# KiCad board ulx4m_panel.kicad_pcb (continued)
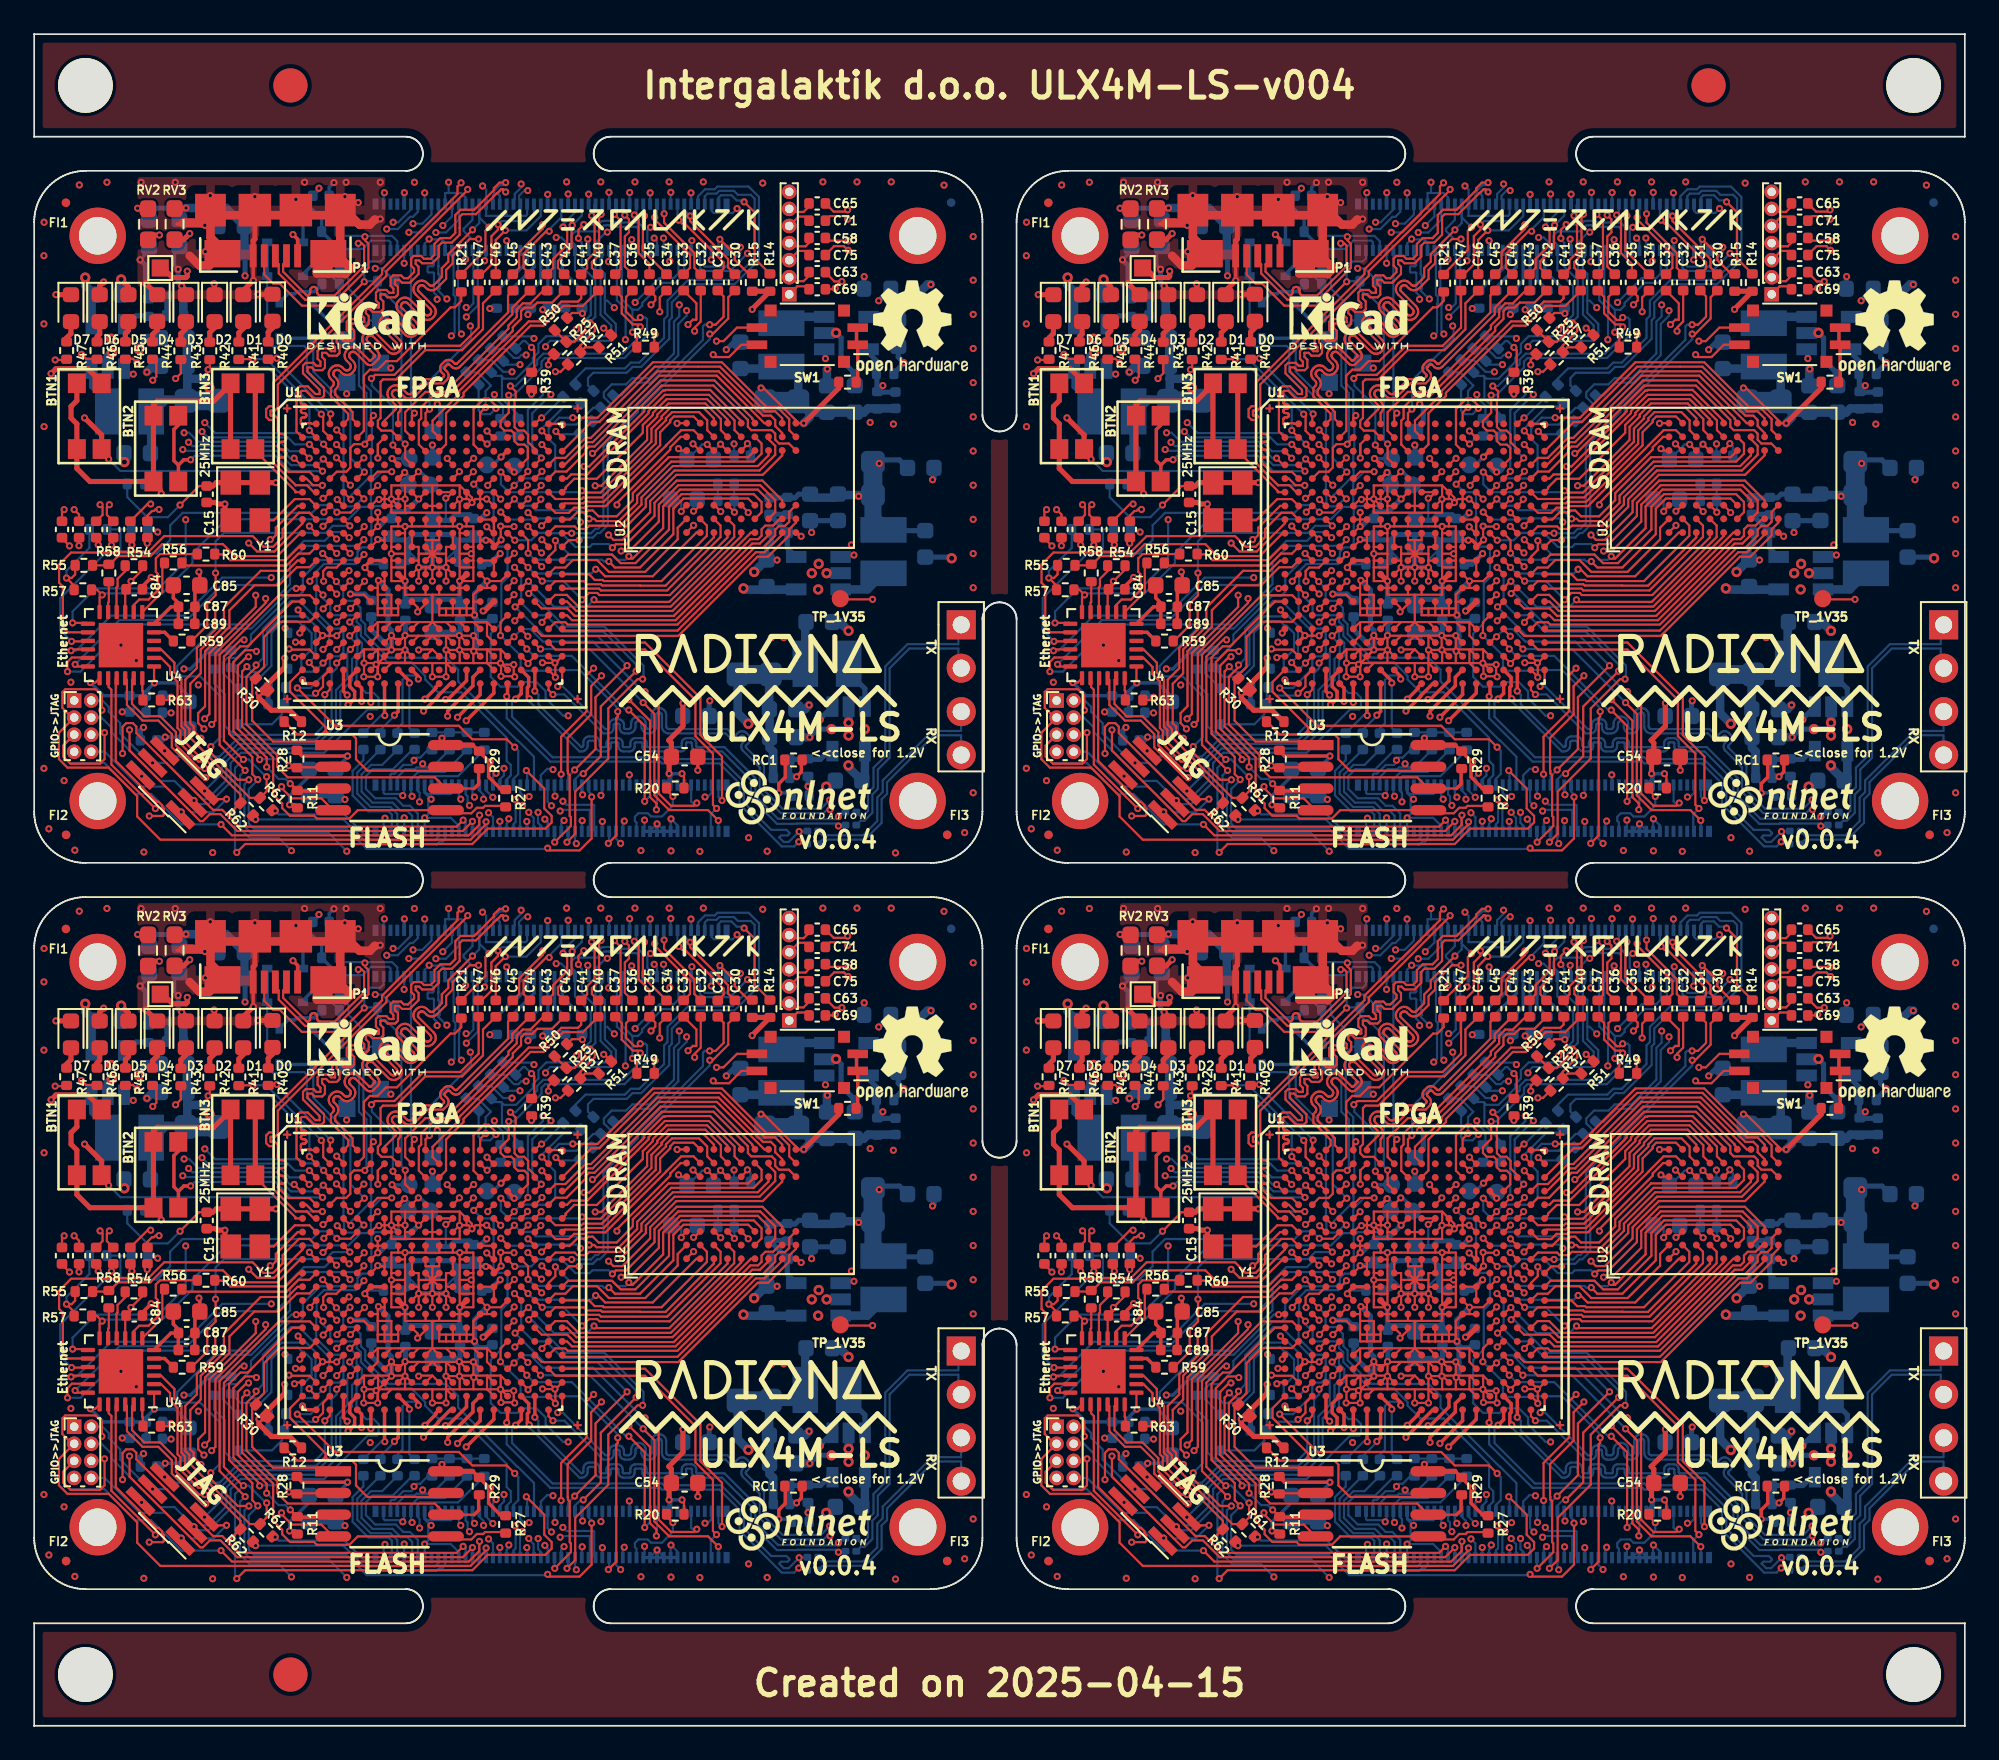
[diagram p0: board, top side]
## Placement (name value [footprint] x y rotation side) (continued)
C82#2  22nF  [C_0603_1608Metric]  95.55 29.29 180 bottom
C82#3  22nF  [C_0603_1608Metric]  95.55 71.79 180 bottom
C82#4  22nF  [C_0603_1608Metric]  38.04 29.29 180 bottom
C83  100n  [C_0402_1005Metric]  63.69 70.02 180 bottom
C83#2  100n  [C_0402_1005Metric]  63.69 27.52 180 bottom
C83#3  100n  [C_0402_1005Metric]  6.18 27.52 180 bottom
C83#4  100n  [C_0402_1005Metric]  6.18 70.02 180 bottom
C84  100n  [C_0402_1005Metric]  63.37 24.02 0 top
C84#2  100n  [C_0402_1005Metric]  5.86 66.52 0 top
C84#3  100n  [C_0402_1005Metric]  63.37 66.52 0 top
C84#4  100n  [C_0402_1005Metric]  5.86 24.02 0 top
C85  1u1R  [C_0603_1608Metric]  66.43 24.25 0 top
C85#2  1u1R  [C_0603_1608Metric]  8.92 24.25 0 top
C85#3  1u1R  [C_0603_1608Metric]  66.43 66.75 0 top
C85#4  1u1R  [C_0603_1608Metric]  8.92 66.75 0 top
C86  10n  [C_0402_1005Metric]  63.1 17.31 270 bottom
C86#2  10n  [C_0402_1005Metric]  5.59 17.31 270 bottom
C86#3  10n  [C_0402_1005Metric]  63.1 59.81 270 bottom
C86#4  10n  [C_0402_1005Metric]  5.59 59.81 270 bottom
C87  470p  [C_0402_1005Metric]  66.44 22.99 0 top
C87#2  470p  [C_0402_1005Metric]  66.44 65.49 0 top
C87#3  470p  [C_0402_1005Metric]  8.93 22.99 0 top
C87#4  470p  [C_0402_1005Metric]  8.93 65.49 0 top
C88  22n  [C_0402_1005Metric]  64.54 59.3 0 bottom
C88#2  22n  [C_0402_1005Metric]  7.03 16.8 0 bottom
C88#3  22n  [C_0402_1005Metric]  7.03 59.3 0 bottom
C88#4  22n  [C_0402_1005Metric]  64.54 16.8 0 bottom
C89  10n  [C_0402_1005Metric]  66.43 22 0 top
C89#2  10n  [C_0402_1005Metric]  8.92 64.5 0 top
C89#3  10n  [C_0402_1005Metric]  8.92 22 0 top
C89#4  10n  [C_0402_1005Metric]  66.43 64.5 0 top
C90  100n  [C_0402_1005Metric]  64.55 60.29 0 bottom
C90#2  100n  [C_0402_1005Metric]  64.55 17.79 0 bottom
C90#3  100n  [C_0402_1005Metric]  7.04 17.79 0 bottom
C90#4  100n  [C_0402_1005Metric]  7.04 60.29 0 bottom
C91  22n  [C_0201_0603Metric]  105.32 10.98 180 bottom  (not fitted)
C91#2  22n  [C_0201_0603Metric]  47.81 53.48 180 bottom  (not fitted)
C91#3  22n  [C_0201_0603Metric]  47.81 10.98 180 bottom  (not fitted)
C91#4  22n  [C_0201_0603Metric]  105.32 53.48 180 bottom  (not fitted)
C92  22n  [C_0201_0603Metric]  47.81 52.72 180 bottom  (not fitted)
C92#2  22n  [C_0201_0603Metric]  47.81 10.22 180 bottom  (not fitted)
C92#3  22n  [C_0201_0603Metric]  105.32 52.72 180 bottom  (not fitted)
C92#4  22n  [C_0201_0603Metric]  105.32 10.22 180 bottom  (not fitted)
C93  22n  [C_0201_0603Metric]  103.09 9.87 180 bottom  (not fitted)
C93#2  22n  [C_0201_0603Metric]  45.58 52.37 180 bottom  (not fitted)
C93#3  22n  [C_0201_0603Metric]  103.09 52.37 180 bottom  (not fitted)
C93#4  22n  [C_0201_0603Metric]  45.58 9.87 180 bottom  (not fitted)
C94  22n  [C_0201_0603Metric]  103.08 51.61 180 bottom  (not fitted)
C94#2  22n  [C_0201_0603Metric]  45.57 9.11 180 bottom  (not fitted)
C94#3  22n  [C_0201_0603Metric]  103.08 9.11 180 bottom  (not fitted)
C94#4  22n  [C_0201_0603Metric]  45.57 51.61 180 bottom  (not fitted)
C95  22uF  [C_0603_1608Metric]  45.42 28.81 270 bottom  (not fitted)
C95#2  22uF  [C_0603_1608Metric]  102.93 71.31 270 bottom  (not fitted)
C95#3  22uF  [C_0603_1608Metric]  102.93 28.81 270 bottom  (not fitted)
C95#4  22uF  [C_0603_1608Metric]  45.42 71.31 270 bottom  (not fitted)
C96  22uF  [C_0603_1608Metric]  47.05 28.82 270 bottom  (not fitted)
C96#2  22uF  [C_0603_1608Metric]  104.57 28.82 270 bottom  (not fitted)
C96#3  22uF  [C_0603_1608Metric]  47.05 71.32 270 bottom  (not fitted)
C96#4  22uF  [C_0603_1608Metric]  104.57 71.32 270 bottom  (not fitted)
C97  2.2uF  [C_0603_1608Metric]  52.16 69.17 270 bottom  (not fitted)
C97#2  2.2uF  [C_0603_1608Metric]  52.16 26.67 270 bottom  (not fitted)
C97#3  2.2uF  [C_0603_1608Metric]  109.67 26.67 270 bottom  (not fitted)
C97#4  2.2uF  [C_0603_1608Metric]  109.67 69.17 270 bottom  (not fitted)
C98  2.2uF  [C_0603_1608Metric]  51.9 73.62 0 bottom  (not fitted)
C98#2  2.2uF  [C_0603_1608Metric]  51.9 31.12 0 bottom  (not fitted)
C98#3  2.2uF  [C_0603_1608Metric]  109.41 73.62 0 bottom  (not fitted)
C98#4  2.2uF  [C_0603_1608Metric]  109.41 31.12 0 bottom  (not fitted)
C99  100n  [C_0402_1005Metric]  71.68 17.29 180 bottom
C99#2  100n  [C_0402_1005Metric]  14.17 17.29 180 bottom
C99#3  100n  [C_0402_1005Metric]  14.17 59.79 180 bottom
C99#4  100n  [C_0402_1005Metric]  71.68 59.79 180 bottom
D0  RED  [LED_0603_1608Metric]  13.95 40.49 270 top
D0#2  RED  [LED_0603_1608Metric]  13.95 82.99 270 top
D0#3  RED  [LED_0603_1608Metric]  71.46 40.49 270 top
D0#4  RED  [LED_0603_1608Metric]  71.46 82.99 270 top
D1  ORANGE  [LED_0603_1608Metric]  12.24 40.47 270 top
D1#2  ORANGE  [LED_0603_1608Metric]  69.75 40.47 270 top
D1#3  ORANGE  [LED_0603_1608Metric]  69.75 82.97 270 top
D1#4  ORANGE  [LED_0603_1608Metric]  12.24 82.97 270 top
D2  GREEN  [LED_0603_1608Metric]  68.07 82.97 270 top
D2#2  GREEN  [LED_0603_1608Metric]  10.56 40.47 270 top
D2#3  GREEN  [LED_0603_1608Metric]  10.56 82.97 270 top
D2#4  GREEN  [LED_0603_1608Metric]  68.07 40.47 270 top
D3  BLUE  [LED_0603_1608Metric]  8.88 40.47 270 top
D3#2  BLUE  [LED_0603_1608Metric]  8.88 82.97 270 top
D3#3  BLUE  [LED_0603_1608Metric]  66.39 40.47 270 top
D3#4  BLUE  [LED_0603_1608Metric]  66.39 82.97 270 top
D4  RED  [LED_0603_1608Metric]  7.2 40.47 270 top
D4#2  RED  [LED_0603_1608Metric]  7.2 82.97 270 top
D4#3  RED  [LED_0603_1608Metric]  64.71 40.47 270 top
D4#4  RED  [LED_0603_1608Metric]  64.71 82.97 270 top
D5  ORANGE  [LED_0603_1608Metric]  5.52 40.47 270 top
D5#2  ORANGE  [LED_0603_1608Metric]  63.03 40.47 270 top
D5#3  ORANGE  [LED_0603_1608Metric]  5.52 82.97 270 top
D5#4  ORANGE  [LED_0603_1608Metric]  63.03 82.97 270 top
D6  GREEN  [LED_0603_1608Metric]  61.35 82.97 270 top
D6#2  GREEN  [LED_0603_1608Metric]  3.84 40.47 270 top
D6#3  GREEN  [LED_0603_1608Metric]  61.35 40.47 270 top
D6#4  GREEN  [LED_0603_1608Metric]  3.84 82.97 270 top
D7  BLUE  [LED_0603_1608Metric]  2.16 82.97 270 top
D7#2  BLUE  [LED_0603_1608Metric]  59.67 82.97 270 top
D7#3  BLUE  [LED_0603_1608Metric]  2.16 40.47 270 top
D7#4  BLUE  [LED_0603_1608Metric]  59.67 40.47 270 top
D8  3.6V  [D_SOD-323_HandSoldering]  20.27 81 270 bottom
D8#2  3.6V  [D_SOD-323_HandSoldering]  77.78 38.5 270 bottom
D8#3  3.6V  [D_SOD-323_HandSoldering]  20.27 38.5 270 bottom
D8#4  3.6V  [D_SOD-323_HandSoldering]  77.78 81 270 bottom
D9  3.6V  [D_SOD-323_HandSoldering]  75.82 79.88 270 bottom
D9#2  3.6V  [D_SOD-323_HandSoldering]  75.82 37.38 270 bottom
D9#3  3.6V  [D_SOD-323_HandSoldering]  18.31 37.38 270 bottom
D9#4  3.6V  [D_SOD-323_HandSoldering]  18.31 79.88 270 bottom
D10  1N914  [D_SOD-323#2]  14.69 86.82 180 bottom
D10#2  1N914  [D_SOD-323#2]  14.69 44.32 180 bottom
D10#3  1N914  [D_SOD-323#2]  72.2 86.82 180 bottom
D10#4  1N914  [D_SOD-323#2]  72.2 44.32 180 bottom
D11  1N914  [D_SOD-323#2]  72.2 42.35 0 bottom
D11#2  1N914  [D_SOD-323#2]  14.69 84.85 0 bottom
D11#3  1N914  [D_SOD-323#2]  72.2 84.85 0 bottom
D11#4  1N914  [D_SOD-323#2]  14.69 42.35 0 bottom
D12  1N914  [D_SOD-323#2]  73.84 39.74 270 bottom
D12#2  1N914  [D_SOD-323#2]  16.33 82.24 270 bottom
D12#3  1N914  [D_SOD-323#2]  16.33 39.74 270 bottom
D12#4  1N914  [D_SOD-323#2]  73.84 82.24 270 bottom
D13  1N914  [D_SOD-323#2]  14.35 82.26 90 bottom
D13#2  1N914  [D_SOD-323#2]  14.35 39.76 90 bottom
D13#3  1N914  [D_SOD-323#2]  71.86 82.26 90 bottom
D13#4  1N914  [D_SOD-323#2]  71.86 39.76 90 bottom
D15  1N914  [D_SOD-323]  14.89 20.42 270 bottom
D15#2  1N914  [D_SOD-323]  72.4 62.92 270 bottom
D15#3  1N914  [D_SOD-323]  72.4 20.42 270 bottom
D15#4  1N914  [D_SOD-323]  14.89 62.92 270 bottom
D28  1N914  [D_SOD-323]  11.94 17.17 270 bottom
D28#2  1N914  [D_SOD-323]  69.45 59.67 270 bottom
D28#3  1N914  [D_SOD-323]  69.45 17.17 270 bottom
D28#4  1N914  [D_SOD-323]  11.94 59.67 270 bottom
FB1  30R  [L_0603_1608Metric]  66.55 16.65 90 bottom
FB1#2  30R  [L_0603_1608Metric]  9.04 59.15 90 bottom
FB1#3  30R  [L_0603_1608Metric]  66.55 59.15 90 bottom
FB1#4  30R  [L_0603_1608Metric]  9.04 16.65 90 bottom
FI1  Fi  [Fiducial_0.5mm_Mask1mm]  59.37 46.64 0 top  (not fitted)
FI1#2  Fi  [Fiducial_0.5mm_Mask1mm]  1.86 89.14 0 top  (not fitted)
FI1#3  Fi  [Fiducial_0.5mm_Mask1mm]  59.37 89.14 0 top  (not fitted)
FI1#4  Fi  [Fiducial_0.5mm_Mask1mm]  1.86 46.64 0 top  (not fitted)
FI2  Fi  [Fiducial_0.5mm_Mask1mm]  1.87 52.15 0 top  (not fitted)
FI2#2  Fi  [Fiducial_0.5mm_Mask1mm]  59.38 9.65 0 top  (not fitted)
FI2#3  Fi  [Fiducial_0.5mm_Mask1mm]  59.38 52.15 0 top  (not fitted)
FI2#4  Fi  [Fiducial_0.5mm_Mask1mm]  1.87 9.65 0 top  (not fitted)
FI3  Fi  [Fiducial_0.5mm_Mask1mm]  53.45 52.15 0 top  (not fitted)
FI3#2  Fi  [Fiducial_0.5mm_Mask1mm]  53.45 9.65 0 top  (not fitted)
FI3#3  Fi  [Fiducial_0.5mm_Mask1mm]  110.96 52.15 0 top  (not fitted)
FI3#4  Fi  [Fiducial_0.5mm_Mask1mm]  110.96 9.65 0 top  (not fitted)
FI4  Fi  [Fiducial_0.5mm_Mask1mm]  111.19 46.65 0 bottom  (not fitted)
FI4#2  Fi  [Fiducial_0.5mm_Mask1mm]  111.19 89.15 0 bottom  (not fitted)
FI4#3  Fi  [Fiducial_0.5mm_Mask1mm]  53.68 46.65 0 bottom  (not fitted)
FI4#4  Fi  [Fiducial_0.5mm_Mask1mm]  53.68 89.15 0 bottom  (not fitted)
FI5  Fi  [Fiducial_0.5mm_Mask1mm]  53.45 9.65 0 bottom  (not fitted)
FI5#2  Fi  [Fiducial_0.5mm_Mask1mm]  110.96 52.15 0 bottom  (not fitted)
FI5#3  Fi  [Fiducial_0.5mm_Mask1mm]  53.45 52.15 0 bottom  (not fitted)
FI5#4  Fi  [Fiducial_0.5mm_Mask1mm]  110.96 9.65 0 bottom  (not fitted)
FI6  Fi  [Fiducial_0.5mm_Mask1mm]  1.87 52.14 0 bottom  (not fitted)
FI6#2  Fi  [Fiducial_0.5mm_Mask1mm]  59.38 52.14 0 bottom  (not fitted)
FI6#3  Fi  [Fiducial_0.5mm_Mask1mm]  59.38 9.64 0 bottom  (not fitted)
FI6#4  Fi  [Fiducial_0.5mm_Mask1mm]  1.87 9.64 0 bottom  (not fitted)
G***  LOGO  [kicad2_8mm]  76.91 39.35 0 top
G***#2  LOGO  [kicad2_8mm]  19.4 39.35 0 top
G***#3  LOGO  [intergalaktik]  34.48 45.76 0 top
G***#4  LOGO  [nlnet]  102.24 54.35 0 top
G***#5  LOGO  [nlnet]  44.73 54.35 0 top
G***#6  LOGO  [intergalaktik]  34.48 88.26 0 top
G***#7  LOGO  [kicad2_8mm]  19.4 81.85 0 top
G***#8  LOGO  [intergalaktik]  91.99 45.76 0 top
G***#9  LOGO  [kicad2_8mm]  76.91 81.85 0 top
G***#10  LOGO  [nlnet]  44.73 11.85 0 top
G***#11  LOGO  [intergalaktik]  91.99 88.26 0 top
G***#12  LOGO  [nlnet]  102.24 11.85 0 top
H1  HOLE  [MountingHole_3.2mm_M3_ISO14580_Pad]  109.23 54.13 180 top  (not fitted)
H1#2  HOLE  [MountingHole_3.2mm_M3_ISO14580_Pad]  51.72 54.13 180 top  (not fitted)
H1#3  HOLE  [MountingHole_3.2mm_M3_ISO14580_Pad]  51.72 11.63 180 top  (not fitted)
H1#4  HOLE  [MountingHole_3.2mm_M3_ISO14580_Pad]  109.23 11.63 180 top  (not fitted)
H2  HOLE  [MountingHole_3.2mm_M3_ISO14580_Pad]  3.72 54.12 180 top  (not fitted)
H2#2  HOLE  [MountingHole_3.2mm_M3_ISO14580_Pad]  61.23 11.62 180 top  (not fitted)
H2#3  HOLE  [MountingHole_3.2mm_M3_ISO14580_Pad]  61.23 54.12 180 top  (not fitted)
H2#4  HOLE  [MountingHole_3.2mm_M3_ISO14580_Pad]  3.72 11.62 180 top  (not fitted)
H3  HOLE  [MountingHole_3.2mm_M3_ISO14580_Pad]  109.23 87.2 180 top  (not fitted)
H3#2  HOLE  [MountingHole_3.2mm_M3_ISO14580_Pad]  51.72 44.7 180 top  (not fitted)
H3#3  HOLE  [MountingHole_3.2mm_M3_ISO14580_Pad]  51.72 87.2 180 top  (not fitted)
H3#4  HOLE  [MountingHole_3.2mm_M3_ISO14580_Pad]  109.23 44.7 180 top  (not fitted)
H4  HOLE  [MountingHole_3.2mm_M3_ISO14580_Pad]  61.23 87.2 180 top  (not fitted)
H4#2  HOLE  [MountingHole_3.2mm_M3_ISO14580_Pad]  3.72 44.7 180 top  (not fitted)
H4#3  HOLE  [MountingHole_3.2mm_M3_ISO14580_Pad]  3.72 87.2 180 top  (not fitted)
H4#4  HOLE  [MountingHole_3.2mm_M3_ISO14580_Pad]  61.23 44.7 180 top  (not fitted)
J1  DF40C-100DP-0.4V(51)  [HRS_DF40C-100DP-0.4V(51)]  30.26 53.7 0 bottom
J1#2  DF40C-100DP-0.4V(51)  [HRS_DF40C-100DP-0.4V(51)]  30.26 11.2 0 bottom
J1#3  DF40C-100DP-0.4V(51)  [HRS_DF40C-100DP-0.4V(51)]  87.77 11.2 0 bottom
J1#4  DF40C-100DP-0.4V(51)  [HRS_DF40C-100DP-0.4V(51)]  87.77 53.7 0 bottom
J2  DF40C-100DP-0.4V(51)  [HRS_DF40C-100DP-0.4V(51)]  87.77 45.2 0 bottom
J2#2  DF40C-100DP-0.4V(51)  [HRS_DF40C-100DP-0.4V(51)]  30.26 87.7 0 bottom
J2#3  DF40C-100DP-0.4V(51)  [HRS_DF40C-100DP-0.4V(51)]  87.77 87.7 0 bottom
J2#4  DF40C-100DP-0.4V(51)  [HRS_DF40C-100DP-0.4V(51)]  30.26 45.2 0 bottom
J3  JTAG  [PinHeader_2x03_P1.00mm_Vertical_SMD]  8.1 12.69 135 top  (not fitted)
J3#2  JTAG  [PinHeader_2x03_P1.00mm_Vertical_SMD]  65.61 12.69 135 top  (not fitted)
J3#3  JTAG  [PinHeader_2x03_P1.00mm_Vertical_SMD]  8.1 55.19 135 top  (not fitted)
J3#4  JTAG  [PinHeader_2x03_P1.00mm_Vertical_SMD]  65.61 55.19 135 top  (not fitted)
J4  Antenna  [PinHeader_1x04_P2.54mm_Vertical]  111.78 21.94 0 top  (not fitted)
J4#2  Antenna  [PinHeader_1x04_P2.54mm_Vertical]  111.78 64.44 0 top  (not fitted)
J4#3  Antenna  [PinHeader_1x04_P2.54mm_Vertical]  54.27 21.94 0 top  (not fitted)
J4#4  Antenna  [PinHeader_1x04_P2.54mm_Vertical]  54.27 64.44 0 top  (not fitted)
J5  SerDes  [PinHeader_1x07_P1.00mm_Vertical]  101.71 83.78 180 top  (not fitted)
J5#2  SerDes  [PinHeader_1x07_P1.00mm_Vertical]  44.2 83.78 180 top  (not fitted)
J5#3  SerDes  [PinHeader_1x07_P1.00mm_Vertical]  101.71 41.28 180 top  (not fitted)
J5#4  SerDes  [PinHeader_1x07_P1.00mm_Vertical]  44.2 41.28 180 top  (not fitted)
J6  GPIO>>JTAG  [PinHeader_2x04_P1.00mm_Vertical]  2.34 17.51 0 top  (not fitted)
J6#2  GPIO>>JTAG  [PinHeader_2x04_P1.00mm_Vertical]  2.34 60.01 0 top  (not fitted)
J6#3  GPIO>>JTAG  [PinHeader_2x04_P1.00mm_Vertical]  59.85 60.01 0 top  (not fitted)
J6#4  GPIO>>JTAG  [PinHeader_2x04_P1.00mm_Vertical]  59.85 17.51 0 top  (not fitted)
KiKit_FID_B_1  -  [Fiducial]  15 96 0 bottom
KiKit_FID_B_2  -  [Fiducial]  98.02 96 0 bottom
KiKit_FID_B_3  -  [Fiducial]  15 3 0 bottom
KiKit_FID_T_1  -  [Fiducial]  15 96 0 top
KiKit_FID_T_2  -  [Fiducial]  98.02 96 0 top
KiKit_FID_T_3  -  [Fiducial]  15 3 0 top
KiKit_TO_1  -  [NPTH]  3 96 0 top
KiKit_TO_2  -  [NPTH]  110.02 96 0 top
KiKit_TO_3  -  [NPTH]  3 3 0 top
KiKit_TO_4  -  [NPTH]  110.02 3 0 top
L1  2.2uH  [L_1008_1210]  46.41 19.66 180 bottom
L1#2  2.2uH  [L_1008_1210]  103.92 19.66 180 bottom
L1#3  2.2uH  [L_1008_1210]  46.41 62.16 180 bottom
L1#4  2.2uH  [L_1008_1210]  103.92 62.16 180 bottom
L2  2.2uH  [L_1008_1210]  63.09 34.42 0 bottom
L2#2  2.2uH  [L_1008_1210]  5.58 76.92 0 bottom
L2#3  2.2uH  [L_1008_1210]  5.58 34.42 0 bottom
L2#4  2.2uH  [L_1008_1210]  63.09 76.92 0 bottom
L3  2.2uH  [L_1008_1210]  43.74 38.32 270 bottom
L3#2  2.2uH  [L_1008_1210]  101.25 38.32 270 bottom
L3#3  2.2uH  [L_1008_1210]  101.25 80.82 270 bottom
L3#4  2.2uH  [L_1008_1210]  43.74 80.82 270 bottom
L4  2.2uH  [L_1008_1210]  49.72 68.72 90 bottom  (not fitted)
L4#2  2.2uH  [L_1008_1210]  107.23 68.72 90 bottom  (not fitted)
L4#3  2.2uH  [L_1008_1210]  49.72 26.22 90 bottom  (not fitted)
L4#4  2.2uH  [L_1008_1210]  107.23 26.22 90 bottom  (not fitted)
P1  USB_OTG  [USB-MICRO-B-FCI-10118192-0001LF]  14.12 46.21 180 top
P1#2  USB_OTG  [USB-MICRO-B-FCI-10118192-0001LF]  71.63 46.21 180 top
P1#3  USB_OTG  [USB-MICRO-B-FCI-10118192-0001LF]  14.12 88.71 180 top
P1#4  USB_OTG  [USB-MICRO-B-FCI-10118192-0001LF]  71.63 88.71 180 top
R1  27R  [R_0402_1005Metric]  17.35 43.94 180 bottom
R1#2  27R  [R_0402_1005Metric]  17.35 86.44 180 bottom
R1#3  27R  [R_0402_1005Metric]  74.86 86.44 180 bottom
R1#4  27R  [R_0402_1005Metric]  74.86 43.94 180 bottom
R2  27R  [R_0402_1005Metric]  74.85 44.95 180 bottom
R2#2  27R  [R_0402_1005Metric]  17.34 44.95 180 bottom
R2#3  27R  [R_0402_1005Metric]  17.34 87.45 180 bottom
R2#4  27R  [R_0402_1005Metric]  74.85 87.45 180 bottom
R4  1k  [R_0402_1005Metric]  15.34 45.84 180 bottom
R4#2  1k  [R_0402_1005Metric]  72.85 45.84 180 bottom
R4#3  1k  [R_0402_1005Metric]  72.85 88.34 180 bottom
R4#4  1k  [R_0402_1005Metric]  15.34 88.34 180 bottom
R5  15k  [R_0402_1005Metric]  74.87 42.9 0 bottom
R5#2  15k  [R_0402_1005Metric]  17.36 85.4 0 bottom
R5#3  15k  [R_0402_1005Metric]  74.87 85.4 0 bottom
R5#4  15k  [R_0402_1005Metric]  17.36 42.9 0 bottom
R6  1k  [R_0402_1005Metric]  17.85 40.39 90 bottom
R6#2  1k  [R_0402_1005Metric]  75.36 82.89 90 bottom
R6#3  1k  [R_0402_1005Metric]  17.85 82.89 90 bottom
R6#4  1k  [R_0402_1005Metric]  75.36 40.39 90 bottom
R7  15k  [R_0402_1005Metric]  74.87 84.38 0 bottom
R7#2  15k  [R_0402_1005Metric]  17.36 41.88 0 bottom
R7#3  15k  [R_0402_1005Metric]  74.87 41.88 0 bottom
R7#4  15k  [R_0402_1005Metric]  17.36 84.38 0 bottom
R8  15k  [R_0402_1005Metric]  31.07 40.99 90 bottom
R8#2  15k  [R_0402_1005Metric]  88.58 83.49 90 bottom
R8#3  15k  [R_0402_1005Metric]  88.58 40.99 90 bottom
R8#4  15k  [R_0402_1005Metric]  31.07 83.49 90 bottom
R9  15k  [R_0402_1005Metric]  32.07 83.49 90 bottom
R9#2  15k  [R_0402_1005Metric]  32.07 40.99 90 bottom
R9#3  15k  [R_0402_1005Metric]  89.58 40.99 90 bottom
R9#4  15k  [R_0402_1005Metric]  89.58 83.49 90 bottom
R10  4k7  [R_0402_1005Metric]  29.07 40.98 90 bottom
R10#2  4k7  [R_0402_1005Metric]  29.07 83.48 90 bottom
R10#3  4k7  [R_0402_1005Metric]  86.58 83.48 90 bottom
R10#4  4k7  [R_0402_1005Metric]  86.58 40.98 90 bottom
R11  15k  [R_0402_1005Metric]  15.41 11.73 90 top
R11#2  15k  [R_0402_1005Metric]  72.92 54.23 90 top
R11#3  15k  [R_0402_1005Metric]  15.41 54.23 90 top
R11#4  15k  [R_0402_1005Metric]  72.92 11.73 90 top
R12  15k  [R_0402_1005Metric]  15.14 58.77 180 top
R12#2  15k  [R_0402_1005Metric]  72.65 16.27 180 top
R12#3  15k  [R_0402_1005Metric]  15.14 16.27 180 top
R12#4  15k  [R_0402_1005Metric]  72.65 58.77 180 top
R13  4k7  [R_0402_1005Metric]  28.07 83.47 90 bottom
R13#2  4k7  [R_0402_1005Metric]  28.07 40.97 90 bottom
R13#3  4k7  [R_0402_1005Metric]  85.58 40.97 90 bottom
R13#4  4k7  [R_0402_1005Metric]  85.58 83.47 90 bottom
R14  4k7  [R_0402_1005Metric]  100.58 41.97 90 top
R14#2  4k7  [R_0402_1005Metric]  43.07 41.97 90 top
R14#3  4k7  [R_0402_1005Metric]  43.07 84.47 90 top
R14#4  4k7  [R_0402_1005Metric]  100.58 84.47 90 top
R15  4k7  [R_0402_1005Metric]  99.55 84.47 90 top
R15#2  4k7  [R_0402_1005Metric]  42.04 41.97 90 top
R15#3  4k7  [R_0402_1005Metric]  99.55 41.97 90 top
R15#4  4k7  [R_0402_1005Metric]  42.04 84.47 90 top
R16  15k  [R_0402_1005Metric]  87.58 40.98 90 bottom
R16#2  15k  [R_0402_1005Metric]  87.58 83.48 90 bottom
R16#3  15k  [R_0402_1005Metric]  30.07 83.48 90 bottom
R16#4  15k  [R_0402_1005Metric]  30.07 40.98 90 bottom
R17  15k  [R_0402_1005Metric]  84.58 40.97 90 bottom
R17#2  15k  [R_0402_1005Metric]  27.07 40.97 90 bottom
R17#3  15k  [R_0402_1005Metric]  84.58 83.47 90 bottom
R17#4  15k  [R_0402_1005Metric]  27.07 83.47 90 bottom
R18  300  [R_0402_1005Metric]  5.96 30.18 180 bottom
R18#2  300  [R_0402_1005Metric]  63.47 30.18 180 bottom
R18#3  300  [R_0402_1005Metric]  5.96 72.68 180 bottom
R18#4  300  [R_0402_1005Metric]  63.47 72.68 180 bottom
R19  4k7  [R_0402_1005Metric]  20.61 84.55 0 bottom
R19#2  4k7  [R_0402_1005Metric]  78.12 42.05 0 bottom
R19#3  4k7  [R_0402_1005Metric]  20.61 42.05 0 bottom
R19#4  4k7  [R_0402_1005Metric]  78.12 84.55 0 bottom
R20  4k7  [R_0402_1005Metric]  37.53 54.89 0 top
R20#2  4k7  [R_0402_1005Metric]  37.53 12.39 0 top
R20#3  4k7  [R_0402_1005Metric]  95.04 12.39 0 top
R20#4  4k7  [R_0402_1005Metric]  95.04 54.89 0 top
R21  300  [R_0402_1005Metric]  82.51 84.43 270 top
R21#2  300  [R_0402_1005Metric]  25 41.93 270 top
R21#3  300  [R_0402_1005Metric]  82.51 41.93 270 top
R21#4  300  [R_0402_1005Metric]  25 84.43 270 top
R22  300  [R_0402_1005Metric]  91.05 35 225 bottom
R22#2  300  [R_0402_1005Metric]  33.54 35 225 bottom
R22#3  300  [R_0402_1005Metric]  91.05 77.5 225 bottom
R22#4  300  [R_0402_1005Metric]  33.54 77.5 225 bottom
R23  300  [R_0402_1005Metric]  31.33 78.14 225 bottom
R23#2  300  [R_0402_1005Metric]  88.84 78.14 225 bottom
R23#3  300  [R_0402_1005Metric]  31.33 35.64 225 bottom
R23#4  300  [R_0402_1005Metric]  88.84 35.64 225 bottom
R24  300  [R_0402_1005Metric]  25.67 37.07 225 bottom
R24#2  300  [R_0402_1005Metric]  25.67 79.57 225 bottom
R24#3  300  [R_0402_1005Metric]  83.18 37.07 225 bottom
R24#4  300  [R_0402_1005Metric]  83.18 79.57 225 bottom
R25  300  [R_0402_1005Metric]  30.79 38.14 225 top
R25#2  300  [R_0402_1005Metric]  88.3 80.64 225 top
R25#3  300  [R_0402_1005Metric]  30.79 80.64 225 top
R25#4  300  [R_0402_1005Metric]  88.3 38.14 225 top
R26  300  [R_0402_1005Metric]  84.61 38.46 225 bottom
R26#2  300  [R_0402_1005Metric]  27.1 38.46 225 bottom
R26#3  300  [R_0402_1005Metric]  84.61 80.96 225 bottom
R26#4  300  [R_0402_1005Metric]  27.1 80.96 225 bottom
R27  15k  [R_0402_1005Metric]  27.6 11.79 270 top
R27#2  15k  [R_0402_1005Metric]  85.11 54.29 270 top
R27#3  15k  [R_0402_1005Metric]  85.11 11.79 270 top
R27#4  15k  [R_0402_1005Metric]  27.6 54.29 270 top
R28  15k  [R_0402_1005Metric]  15.38 56.58 270 top
R28#2  15k  [R_0402_1005Metric]  72.89 56.58 270 top
R28#3  15k  [R_0402_1005Metric]  72.89 14.08 270 top
R28#4  15k  [R_0402_1005Metric]  15.38 14.08 270 top
R29  1k  [R_0402_1005Metric]  83.57 56.53 270 top
R29#2  1k  [R_0402_1005Metric]  26.06 14.03 270 top
R29#3  1k  [R_0402_1005Metric]  83.57 14.03 270 top
R29#4  1k  [R_0402_1005Metric]  26.06 56.53 270 top
R30  4k7  [R_0402_1005Metric]  70.85 18.44 135 top
R30#2  4k7  [R_0402_1005Metric]  70.85 60.94 135 top
R30#3  4k7  [R_0402_1005Metric]  13.34 18.44 135 top
R30#4  4k7  [R_0402_1005Metric]  13.34 60.94 135 top
R31  15k  [R_0402_1005Metric]  71.72 18.28 0 bottom
R31#2  15k  [R_0402_1005Metric]  71.72 60.78 0 bottom
R31#3  15k  [R_0402_1005Metric]  14.21 60.78 0 bottom
R31#4  15k  [R_0402_1005Metric]  14.21 18.28 0 bottom
R32  15k  [R_0402_1005Metric]  10.53 19.86 270 bottom
R32#2  15k  [R_0402_1005Metric]  68.04 19.86 270 bottom
R32#3  15k  [R_0402_1005Metric]  68.04 62.36 270 bottom
R32#4  15k  [R_0402_1005Metric]  10.53 62.36 270 bottom
R33  15k  [R_0402_1005Metric]  11.53 19.94 270 bottom
R33#2  15k  [R_0402_1005Metric]  69.04 19.94 270 bottom
R33#3  15k  [R_0402_1005Metric]  11.53 62.44 270 bottom
R33#4  15k  [R_0402_1005Metric]  69.04 62.44 270 bottom
R34  300  [R_0402_1005Metric]  89.81 75.99 45 bottom
R34#2  300  [R_0402_1005Metric]  32.3 75.99 45 bottom
R34#3  300  [R_0402_1005Metric]  32.3 33.49 45 bottom
R34#4  300  [R_0402_1005Metric]  89.81 33.49 45 bottom
R35  300  [R_0402_1005Metric]  89.89 77.77 45 bottom
R35#2  300  [R_0402_1005Metric]  32.38 35.27 45 bottom
R35#3  300  [R_0402_1005Metric]  32.38 77.77 45 bottom
R35#4  300  [R_0402_1005Metric]  89.89 35.27 45 bottom
R36  300  [R_0402_1005Metric]  26.38 36.37 45 bottom
R36#2  300  [R_0402_1005Metric]  26.38 78.87 45 bottom
R36#3  300  [R_0402_1005Metric]  83.89 78.87 45 bottom
R36#4  300  [R_0402_1005Metric]  83.89 36.37 45 bottom
R37  300  [R_0402_1005Metric]  31.61 37.54 45 top
R37#2  300  [R_0402_1005Metric]  89.12 37.54 45 top
R37#3  300  [R_0402_1005Metric]  31.61 80.04 45 top
R37#4  300  [R_0402_1005Metric]  89.12 80.04 45 top
R38  300  [R_0402_1005Metric]  85.33 80.25 45 bottom
R38#2  300  [R_0402_1005Metric]  27.82 80.25 45 bottom
R38#3  300  [R_0402_1005Metric]  85.33 37.75 45 bottom
R38#4  300  [R_0402_1005Metric]  27.82 37.75 45 bottom
R39  70  [R_0402_1005Metric]  29.12 78.71 270 top
R39#2  70  [R_0402_1005Metric]  29.12 36.21 270 top
R39#3  70  [R_0402_1005Metric]  86.63 36.21 270 top
R39#4  70  [R_0402_1005Metric]  86.63 78.71 270 top
R40  300  [R_0402_1005Metric]  71.21 37.99 90 top
R40#2  300  [R_0402_1005Metric]  13.7 37.99 90 top
R40#3  300  [R_0402_1005Metric]  13.7 80.49 90 top
R40#4  300  [R_0402_1005Metric]  71.21 80.49 90 top
R41  300  [R_0402_1005Metric]  11.98 80.48 90 top
R41#2  300  [R_0402_1005Metric]  69.49 80.48 90 top
R41#3  300  [R_0402_1005Metric]  69.49 37.98 90 top
R41#4  300  [R_0402_1005Metric]  11.98 37.98 90 top
R42  300  [R_0402_1005Metric]  10.28 80.47 90 top
R42#2  300  [R_0402_1005Metric]  67.79 37.97 90 top
R42#3  300  [R_0402_1005Metric]  10.28 37.97 90 top
R42#4  300  [R_0402_1005Metric]  67.79 80.47 90 top
R43  300  [R_0402_1005Metric]  66.1 37.97 90 top
R43#2  300  [R_0402_1005Metric]  66.1 80.47 90 top
R43#3  300  [R_0402_1005Metric]  8.59 37.97 90 top
R43#4  300  [R_0402_1005Metric]  8.59 80.47 90 top
R44  300  [R_0402_1005Metric]  64.44 37.99 90 top
R44#2  300  [R_0402_1005Metric]  6.93 80.49 90 top
R44#3  300  [R_0402_1005Metric]  6.93 37.99 90 top
R44#4  300  [R_0402_1005Metric]  64.44 80.49 90 top
R45  300  [R_0402_1005Metric]  62.85 37.99 90 top
R45#2  300  [R_0402_1005Metric]  5.34 37.99 90 top
R45#3  300  [R_0402_1005Metric]  5.34 80.49 90 top
R45#4  300  [R_0402_1005Metric]  62.85 80.49 90 top
R46  300  [R_0402_1005Metric]  61.19 80.49 90 top
R46#2  300  [R_0402_1005Metric]  61.19 37.99 90 top
R46#3  300  [R_0402_1005Metric]  3.68 80.49 90 top
R46#4  300  [R_0402_1005Metric]  3.68 37.99 90 top
R47  300  [R_0402_1005Metric]  1.9 80.49 90 top
R47#2  300  [R_0402_1005Metric]  1.9 37.99 90 top
R47#3  300  [R_0402_1005Metric]  59.41 37.99 90 top
R47#4  300  [R_0402_1005Metric]  59.41 80.49 90 top
R48  70  [R_0402_1005Metric]  85.83 33.5 270 bottom
R48#2  70  [R_0402_1005Metric]  28.32 33.5 270 bottom
R48#3  70  [R_0402_1005Metric]  85.83 76 270 bottom
R48#4  70  [R_0402_1005Metric]  28.32 76 270 bottom
R49  70  [R_0402_1005Metric]  93.3 80.69 0 top
R49#2  70  [R_0402_1005Metric]  35.79 80.69 0 top
R49#3  70  [R_0402_1005Metric]  35.79 38.19 0 top
R49#4  70  [R_0402_1005Metric]  93.3 38.19 0 top
R50  70  [R_0402_1005Metric]  88.34 82.04 45 top
R50#2  70  [R_0402_1005Metric]  30.83 39.54 45 top
R50#3  70  [R_0402_1005Metric]  30.83 82.04 45 top
R50#4  70  [R_0402_1005Metric]  88.34 39.54 45 top
R51  70  [R_0402_1005Metric]  90.92 81.04 45 top
R51#2  70  [R_0402_1005Metric]  33.41 81.04 45 top
R51#3  70  [R_0402_1005Metric]  33.41 38.54 45 top
R51#4  70  [R_0402_1005Metric]  90.92 38.54 45 top
R52  70  [R_0402_1005Metric]  27.31 76 270 bottom
R52#2  70  [R_0402_1005Metric]  84.82 33.5 270 bottom
R52#3  70  [R_0402_1005Metric]  27.31 33.5 270 bottom
R52#4  70  [R_0402_1005Metric]  84.82 76 270 bottom
R53  10K  [R_0402_1005Metric]  61.25 70.02 0 bottom
R53#2  10K  [R_0402_1005Metric]  61.25 27.52 0 bottom
R53#3  10K  [R_0402_1005Metric]  3.74 27.52 0 bottom
R53#4  10K  [R_0402_1005Metric]  3.74 70.02 0 bottom
R54  10R  [R_0402_1005Metric]  5.84 25.4 0 top
R54#2  10R  [R_0402_1005Metric]  63.35 67.9 0 top
R54#3  10R  [R_0402_1005Metric]  63.35 25.4 0 top
R54#4  10R  [R_0402_1005Metric]  5.84 67.9 0 top
R55  1K5  [R_0402_1005Metric]  60.42 67.92 0 top
R55#2  1K5  [R_0402_1005Metric]  2.91 25.42 0 top
R55#3  1K5  [R_0402_1005Metric]  2.91 67.92 0 top
R55#4  1K5  [R_0402_1005Metric]  60.42 25.42 0 top
R56  10R  [R_0402_1005Metric]  8.14 68.06 0 top
R56#2  10R  [R_0402_1005Metric]  8.14 25.56 0 top
R56#3  10R  [R_0402_1005Metric]  65.65 68.06 0 top
R56#4  10R  [R_0402_1005Metric]  65.65 25.56 0 top
R57  1K5  [R_0402_1005Metric]  2.85 66.49 0 top
R57#2  1K5  [R_0402_1005Metric]  60.36 66.49 0 top
R57#3  1K5  [R_0402_1005Metric]  60.36 23.99 0 top
R57#4  1K5  [R_0402_1005Metric]  2.85 23.99 0 top
R58  10R  [R_0402_1005Metric]  4.37 67.47 270 top
R58#2  10R  [R_0402_1005Metric]  4.37 24.97 270 top
R58#3  10R  [R_0402_1005Metric]  61.88 24.97 270 top
R58#4  10R  [R_0402_1005Metric]  61.88 67.47 270 top
R59  33R  [R_0402_1005Metric]  66.17 20.99 0 top
R59#2  33R  [R_0402_1005Metric]  8.66 63.49 0 top
R59#3  33R  [R_0402_1005Metric]  66.17 63.49 0 top
R59#4  33R  [R_0402_1005Metric]  8.66 20.99 0 top
R60  10R  [R_0402_1005Metric]  10.06 68.58 0 top
R60#2  10R  [R_0402_1005Metric]  67.57 26.08 0 top
R60#3  10R  [R_0402_1005Metric]  67.57 68.58 0 top
R60#4  10R  [R_0402_1005Metric]  10.06 26.08 0 top
R61  300  [R_0402_1005Metric]  13.58 53.95 135 top
R61#2  300  [R_0402_1005Metric]  71.09 11.45 135 top
R61#3  300  [R_0402_1005Metric]  13.58 11.45 135 top
R61#4  300  [R_0402_1005Metric]  71.09 53.95 135 top
R62  300  [R_0402_1005Metric]  69.95 53.65 135 top
R62#2  300  [R_0402_1005Metric]  69.95 11.15 135 top
R62#3  300  [R_0402_1005Metric]  12.44 11.15 135 top
R62#4  300  [R_0402_1005Metric]  12.44 53.65 135 top
R63  12K1  [R_0402_1005Metric]  6.88 17.54 0 top
R63#2  12K1  [R_0402_1005Metric]  64.39 17.54 0 top
R63#3  12K1  [R_0402_1005Metric]  64.39 60.04 0 top
R63#4  12K1  [R_0402_1005Metric]  6.88 60.04 0 top
R64  300  [R_0402_1005Metric]  26.35 15.13 90 bottom
R64#2  300  [R_0402_1005Metric]  26.35 57.63 90 bottom
R64#3  300  [R_0402_1005Metric]  83.86 15.13 90 bottom
R64#4  300  [R_0402_1005Metric]  83.86 57.63 90 bottom
R65  300  [R_0402_1005Metric]  82.85 57.63 90 bottom
R65#2  300  [R_0402_1005Metric]  25.34 57.63 90 bottom
R65#3  300  [R_0402_1005Metric]  25.34 15.13 90 bottom
R65#4  300  [R_0402_1005Metric]  82.85 15.13 90 bottom
R66  300  [R_0402_1005Metric]  80.8 15.13 90 bottom
R66#2  300  [R_0402_1005Metric]  23.29 57.63 90 bottom
R66#3  300  [R_0402_1005Metric]  23.29 15.13 90 bottom
R66#4  300  [R_0402_1005Metric]  80.8 57.63 90 bottom
R67  300  [R_0402_1005Metric]  81.82 15.13 90 bottom
R67#2  300  [R_0402_1005Metric]  24.31 57.63 90 bottom
R67#3  300  [R_0402_1005Metric]  24.31 15.13 90 bottom
R67#4  300  [R_0402_1005Metric]  81.82 57.63 90 bottom
R70  300  [R_0402_1005Metric]  47.61 36.14 0 top
R70#2  300  [R_0402_1005Metric]  47.61 78.64 0 top
R70#3  300  [R_0402_1005Metric]  105.12 78.64 0 top
R70#4  300  [R_0402_1005Metric]  105.12 36.14 0 top
RA1  15k  [R_0402_1005Metric]  101.25 14.03 0 bottom
RA1#2  15k  [R_0402_1005Metric]  101.25 56.53 0 bottom
RA1#3  15k  [R_0402_1005Metric]  43.74 14.03 0 bottom
RA1#4  15k  [R_0402_1005Metric]  43.74 56.53 0 bottom
RA2  15k  [R_0402_1005Metric]  65.76 40.05 180 bottom
RA2#2  15k  [R_0402_1005Metric]  8.25 82.55 180 bottom
RA2#3  15k  [R_0402_1005Metric]  65.76 82.55 180 bottom
RA2#4  15k  [R_0402_1005Metric]  8.25 40.05 180 bottom
RA3  15k  [R_0402_1005Metric]  106.88 77.57 90 bottom
RA3#2  15k  [R_0402_1005Metric]  49.37 35.07 90 bottom
RA3#3  15k  [R_0402_1005Metric]  106.88 35.07 90 bottom
RA3#4  15k  [R_0402_1005Metric]  49.37 77.57 90 bottom
RA4  15k  [R_0402_1005Metric]  101.6 28.89 270 bottom  (not fitted)
RA4#2  15k  [R_0402_1005Metric]  101.6 71.39 270 bottom  (not fitted)
RA4#3  15k  [R_0402_1005Metric]  44.09 28.89 270 bottom  (not fitted)
RA4#4  15k  [R_0402_1005Metric]  44.09 71.39 270 bottom  (not fitted)
radiona  -  [radiona]  99.88 62.76 0 top
radiona#2  -  [radiona]  99.88 20.26 0 top
radiona#3  -  [radiona]  42.37 62.76 0 top
radiona#4  -  [radiona]  42.37 20.26 0 top
RB1  18k  [R_0402_1005Metric]  102.81 13.58 90 bottom
RB1#2  18k  [R_0402_1005Metric]  45.3 56.08 90 bottom
RB1#3  18k  [R_0402_1005Metric]  102.81 56.08 90 bottom
RB1#4  18k  [R_0402_1005Metric]  45.3 13.58 90 bottom
RB2  4k7  [R_0402_1005Metric]  6.69 83 270 bottom
RB2#2  4k7  [R_0402_1005Metric]  6.69 40.5 270 bottom
RB2#3  4k7  [R_0402_1005Metric]  64.2 83 270 bottom
RB2#4  4k7  [R_0402_1005Metric]  64.2 40.5 270 bottom
RB3  3k3  [R_0402_1005Metric]  107.33 79.13 180 bottom
RB3#2  3k3  [R_0402_1005Metric]  49.82 36.63 180 bottom
RB3#3  3k3  [R_0402_1005Metric]  49.82 79.13 180 bottom
RB3#4  3k3  [R_0402_1005Metric]  107.33 36.63 180 bottom
RB4  12k  [R_0402_1005Metric]  101.15 27.33 0 bottom  (not fitted)
RB4#2  12k  [R_0402_1005Metric]  43.64 69.83 0 bottom  (not fitted)
RB4#3  12k  [R_0402_1005Metric]  43.64 27.33 0 bottom  (not fitted)
RB4#4  12k  [R_0402_1005Metric]  101.15 69.83 0 bottom  (not fitted)
RC1  *DNP  [R_0402_1005Metric]  44.45 56.53 0 top  (not fitted)
RC1#2  *DNP  [R_0402_1005Metric]  101.96 56.53 0 top  (not fitted)
RC1#3  *DNP  [R_0402_1005Metric]  44.45 14.03 0 top  (not fitted)
RC1#4  *DNP  [R_0402_1005Metric]  101.96 14.03 0 top  (not fitted)
RC2  91k  [R_0402_1005Metric]  102.37 54.45 180 bottom
RC2#2  91k  [R_0402_1005Metric]  44.86 54.45 180 bottom
RC2#3  91k  [R_0402_1005Metric]  44.86 11.95 180 bottom
RC2#4  91k  [R_0402_1005Metric]  102.37 11.95 180 bottom
REF**  -  [OSHW-Logo2_7.3x6mm_SilkScreen]  108.91 81.84 0 top
REF**#2  -  [OSHW-Logo2_7.3x6mm_SilkScreen]  51.4 39.34 0 top
REF**#3  -  [OSHW-Logo2_7.3x6mm_SilkScreen]  51.4 81.84 0 top
REF**#4  -  [OSHW-Logo2_7.3x6mm_SilkScreen]  108.91 39.34 0 top
RP1  0  [R_0805_2012Metric_Pad1.29x1.40mm_HandSolder_Jumper_NC]  42.15 19.03 180 bottom  (not fitted)
RP1#2  0  [R_0805_2012Metric_Pad1.29x1.40mm_HandSolder_Jumper_NC]  99.66 19.03 180 bottom  (not fitted)
RP1#3  0  [R_0805_2012Metric_Pad1.29x1.40mm_HandSolder_Jumper_NC]  42.15 61.53 180 bottom  (not fitted)
RP1#4  0  [R_0805_2012Metric_Pad1.29x1.40mm_HandSolder_Jumper_NC]  99.66 61.53 180 bottom  (not fitted)
RP2  0  [R_0805_2012Metric_Pad1.29x1.40mm_HandSolder_Jumper_NC]  9.84 35.05 0 bottom  (not fitted)
RP2#2  0  [R_0805_2012Metric_Pad1.29x1.40mm_HandSolder_Jumper_NC]  67.35 35.05 0 bottom  (not fitted)
RP2#3  0  [R_0805_2012Metric_Pad1.29x1.40mm_HandSolder_Jumper_NC]  67.35 77.55 0 bottom  (not fitted)
RP2#4  0  [R_0805_2012Metric_Pad1.29x1.40mm_HandSolder_Jumper_NC]  9.84 77.55 0 bottom  (not fitted)
RP3  0  [R_0805_2012Metric_Pad1.29x1.40mm_HandSolder_Jumper_NC]  43.76 35.02 180 bottom  (not fitted)
RP3#2  0  [R_0805_2012Metric_Pad1.29x1.40mm_HandSolder_Jumper_NC]  101.27 77.52 180 bottom  (not fitted)
RP3#3  0  [R_0805_2012Metric_Pad1.29x1.40mm_HandSolder_Jumper_NC]  101.27 35.02 180 bottom  (not fitted)
RP3#4  0  [R_0805_2012Metric_Pad1.29x1.40mm_HandSolder_Jumper_NC]  43.76 77.52 180 bottom  (not fitted)
RP4  0  [R_0805_2012Metric_Pad1.29x1.40mm_HandSolder_Jumper_NC]  106.61 30.5 90 bottom  (not fitted)
RP4#2  0  [R_0805_2012Metric_Pad1.29x1.40mm_HandSolder_Jumper_NC]  106.61 73 90 bottom  (not fitted)
RP4#3  0  [R_0805_2012Metric_Pad1.29x1.40mm_HandSolder_Jumper_NC]  49.1 73 90 bottom  (not fitted)
RP4#4  0  [R_0805_2012Metric_Pad1.29x1.40mm_HandSolder_Jumper_NC]  49.1 30.5 90 bottom  (not fitted)
RV2  0  [R_0603_1608Metric_Pad0.98x0.95mm_HandSolder]  64.18 87.88 90 top  (not fitted)
RV2#2  0  [R_0603_1608Metric_Pad0.98x0.95mm_HandSolder]  6.67 87.88 90 top  (not fitted)
